# Altium PCB VAMoS Rev D.PcbDoc (part 1 of 4)
Units mil, origin at the board's own origin, x right, y up, seen from the top; angles counter-clockwise.
Board outline 3123.48 x 5025.48 mil, 4 copper layers (Top Signal Layer, Power Plane, Ground Plane, Bottom Signal Layer), stack 61.2 mil thick; 294 components, 124 nets, 789 pads, 1205 vias.
Unrouted connection lines stored in the file: 1.
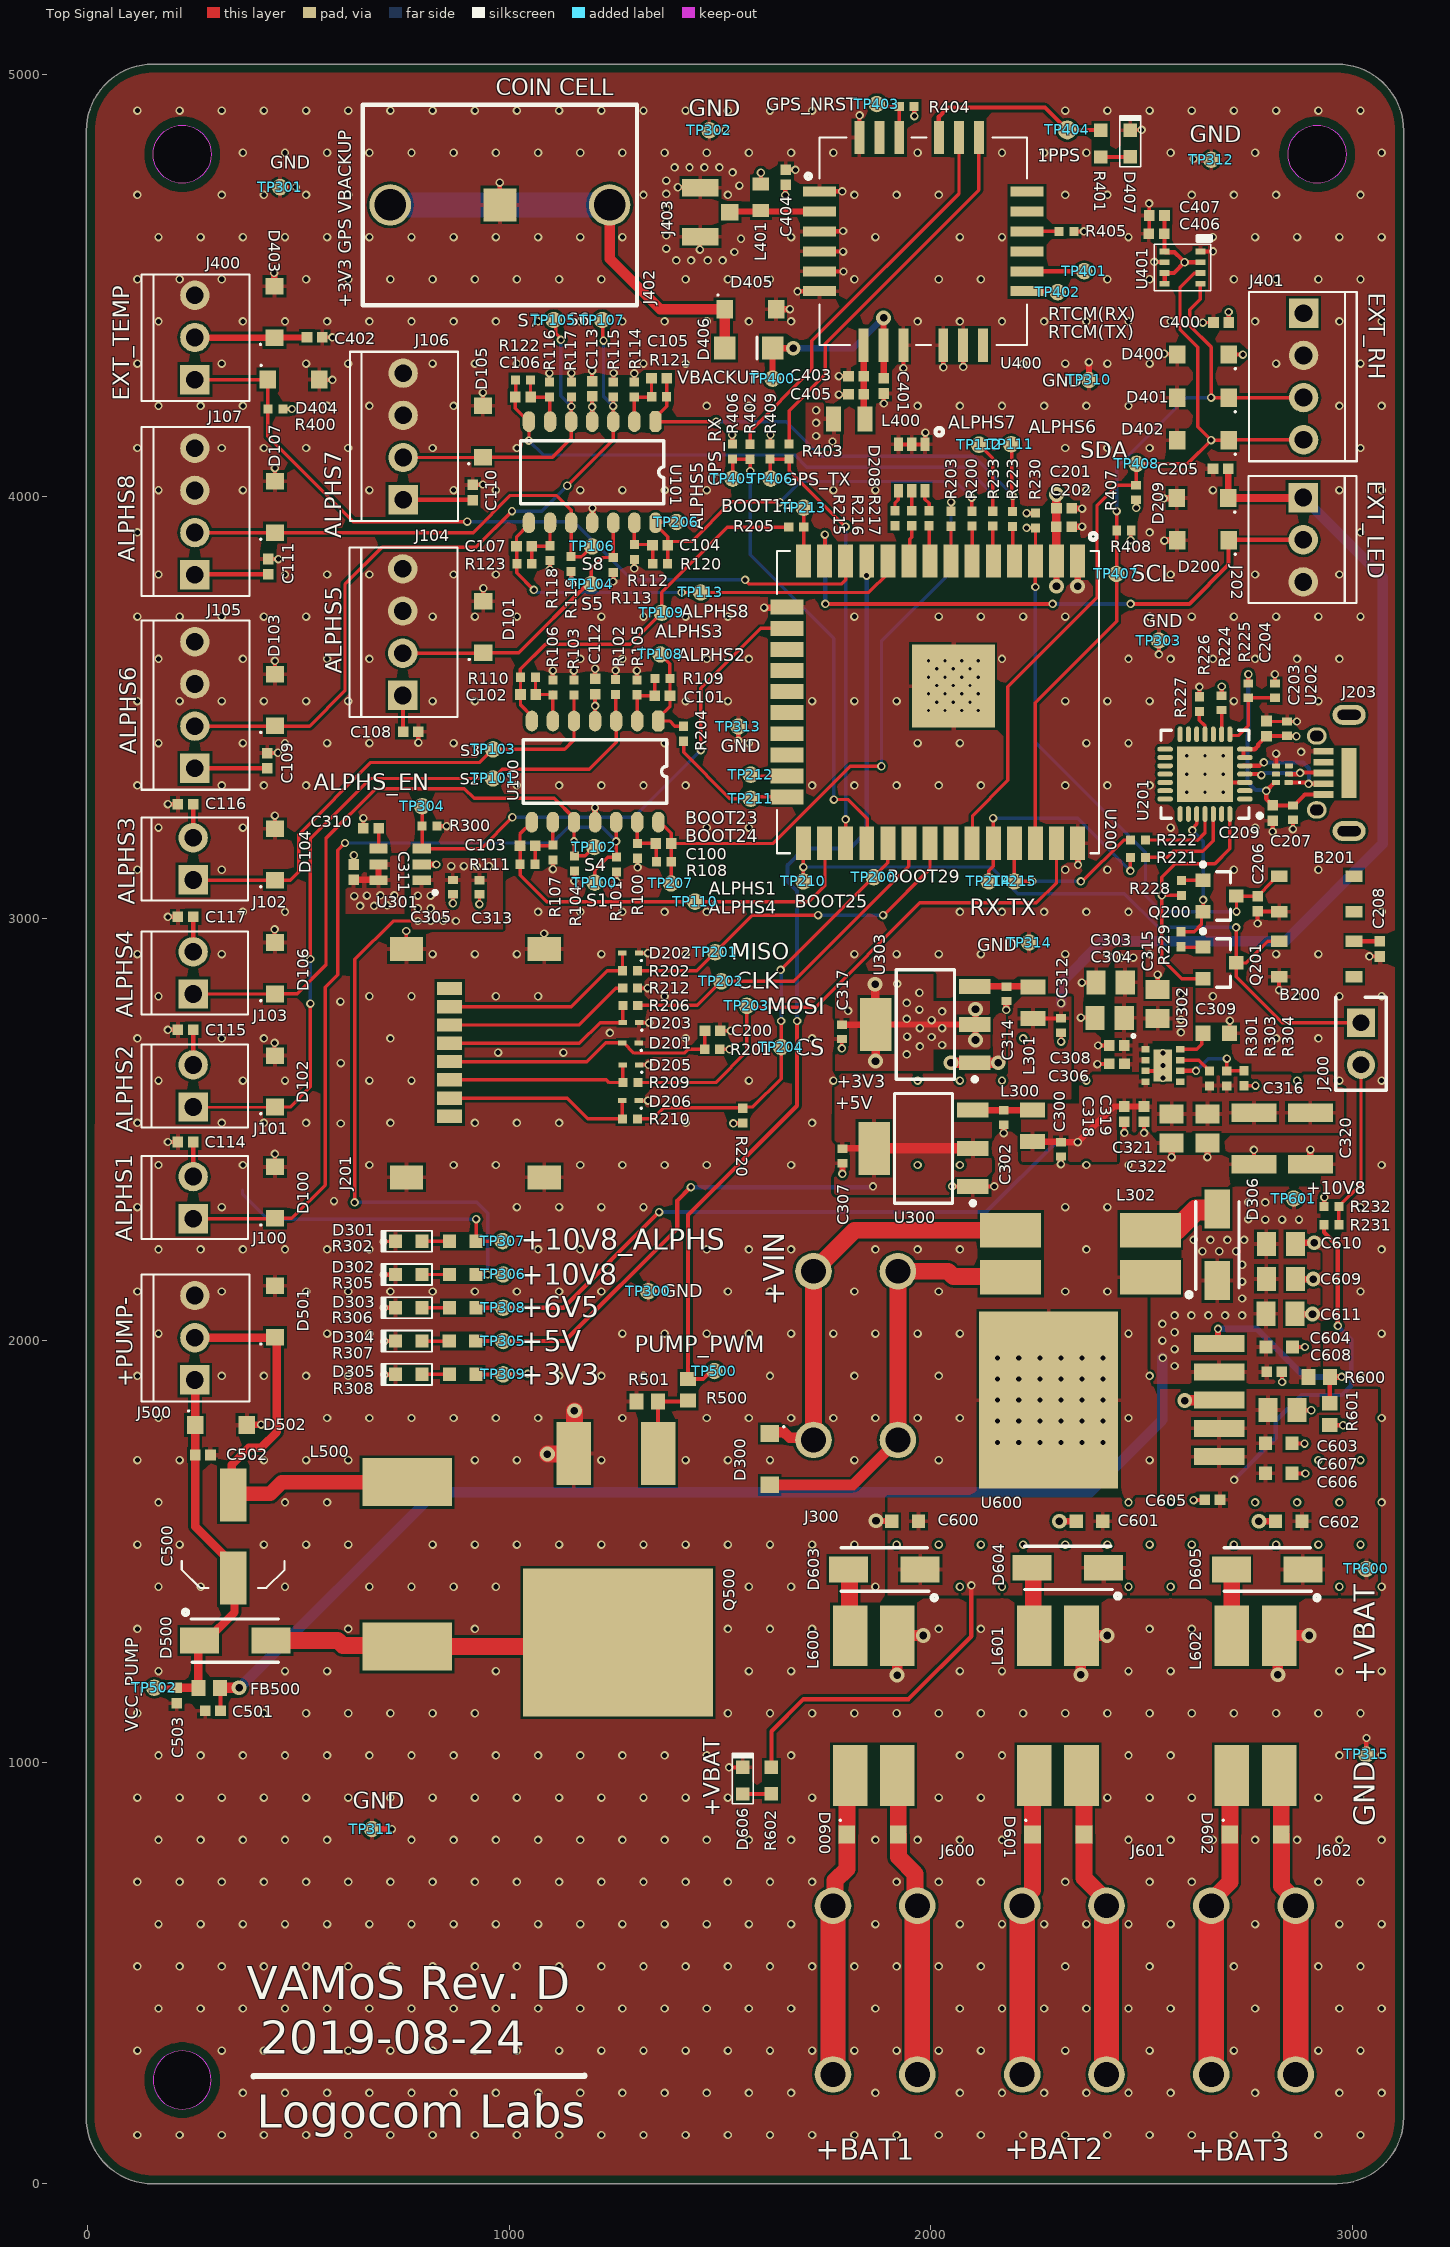
[diagram p0: Top Signal Layer view]
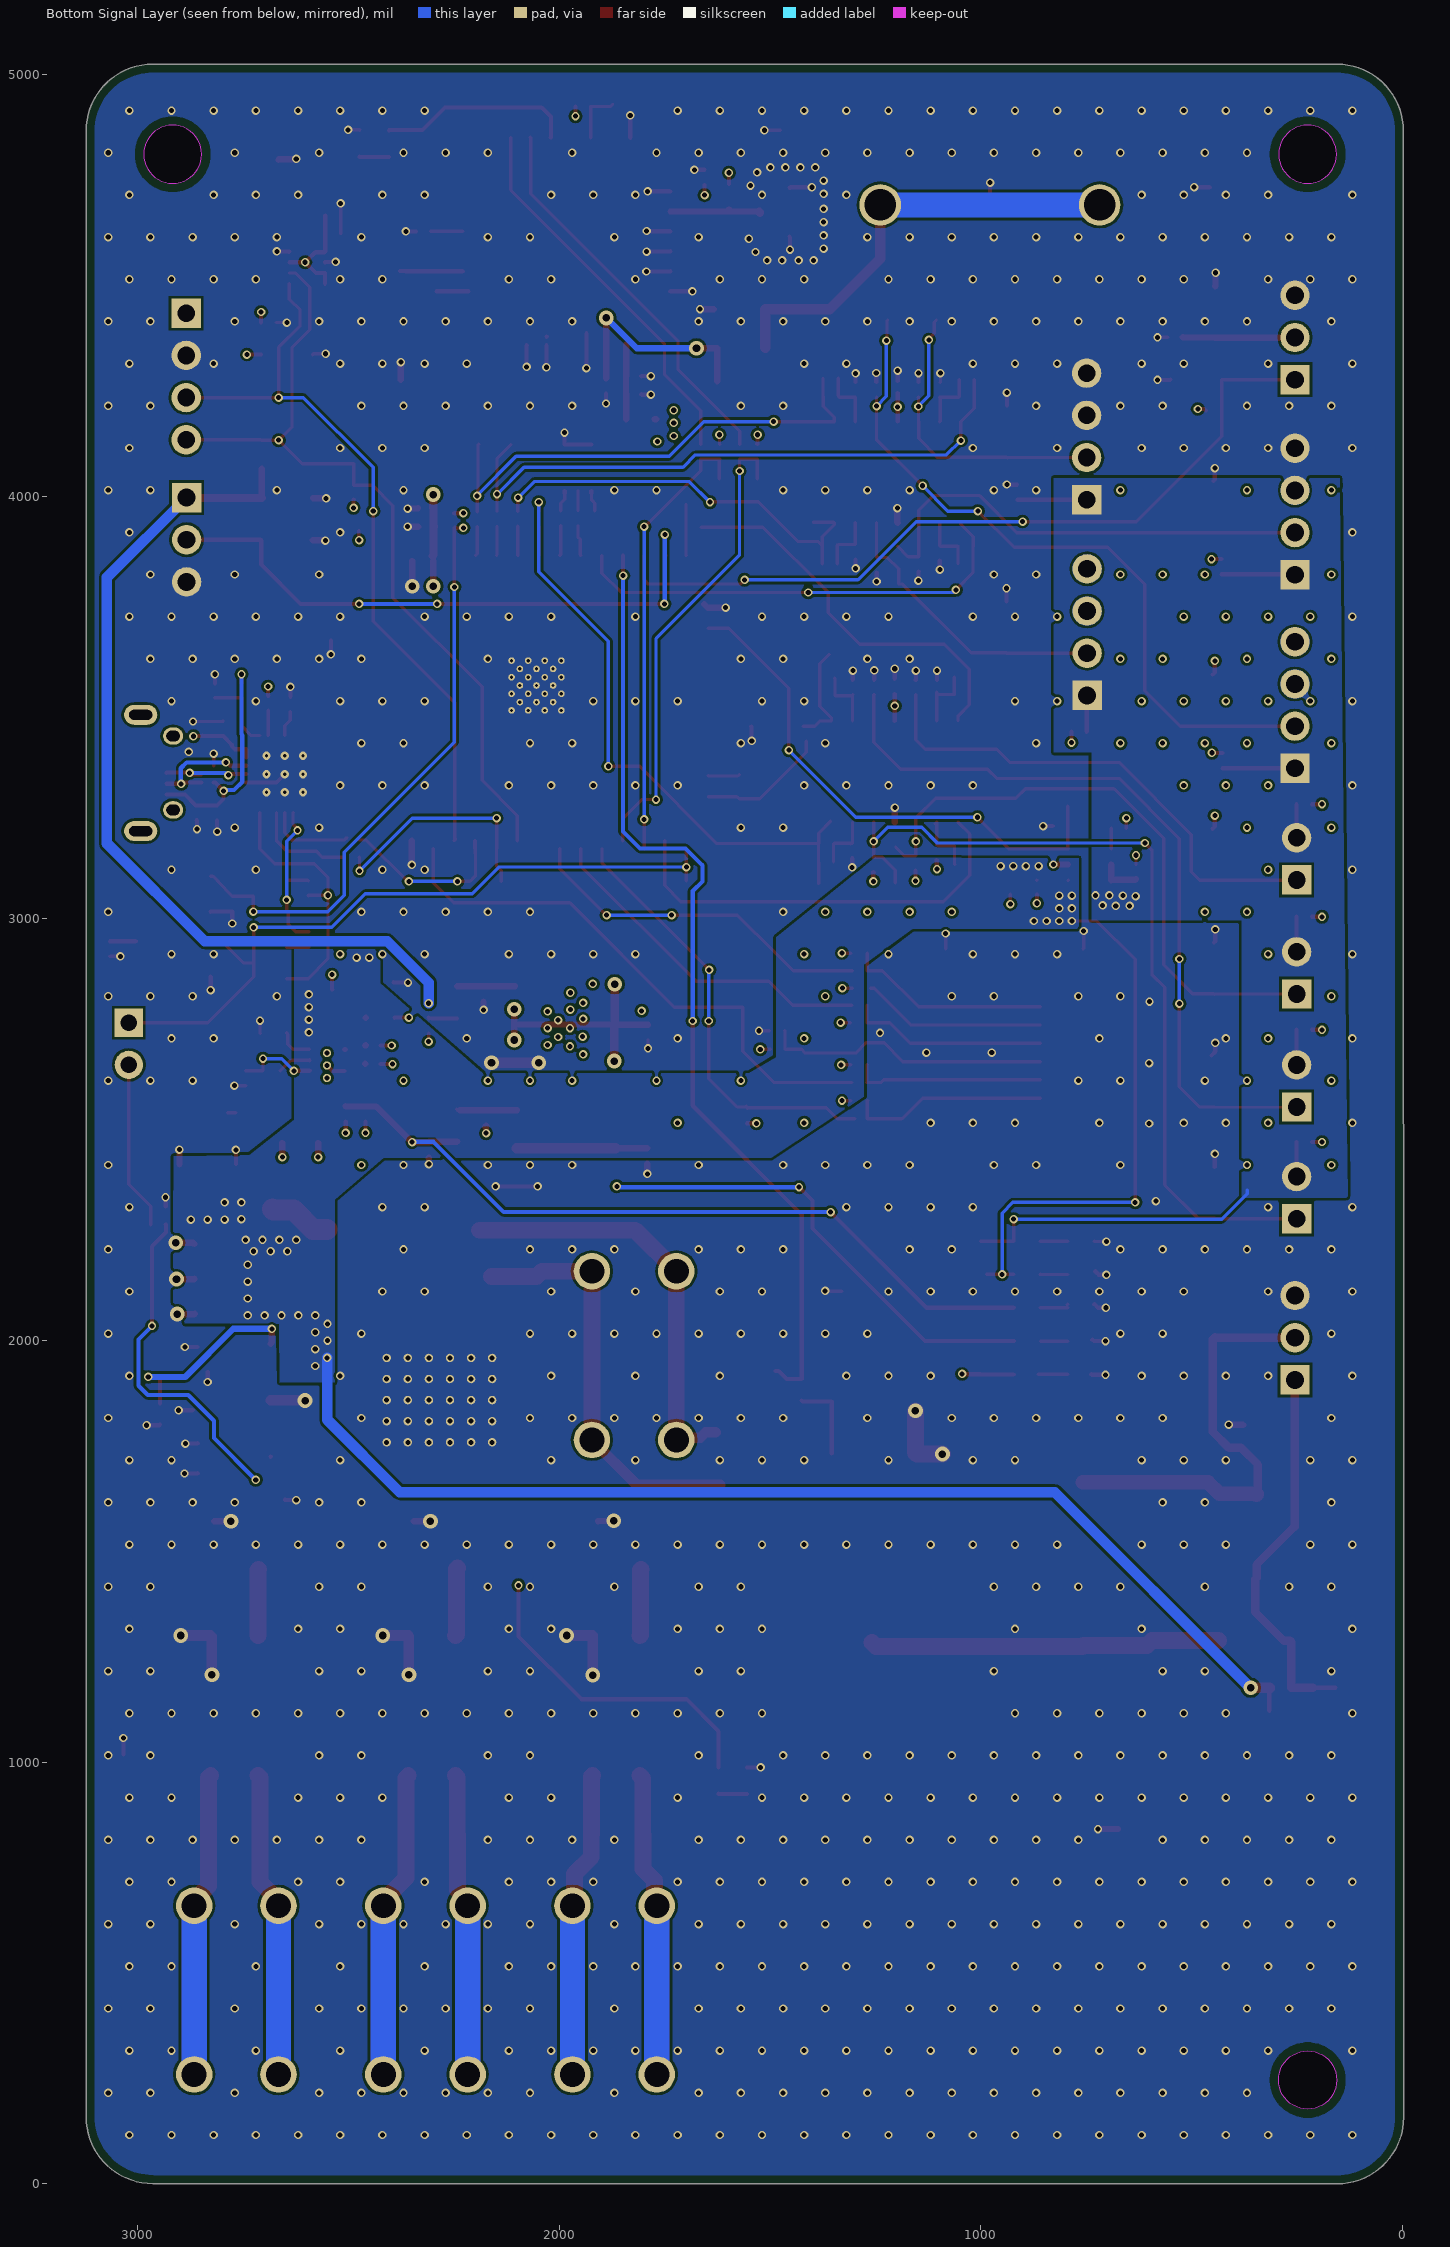
[diagram p1: Bottom Signal Layer view, seen from below]
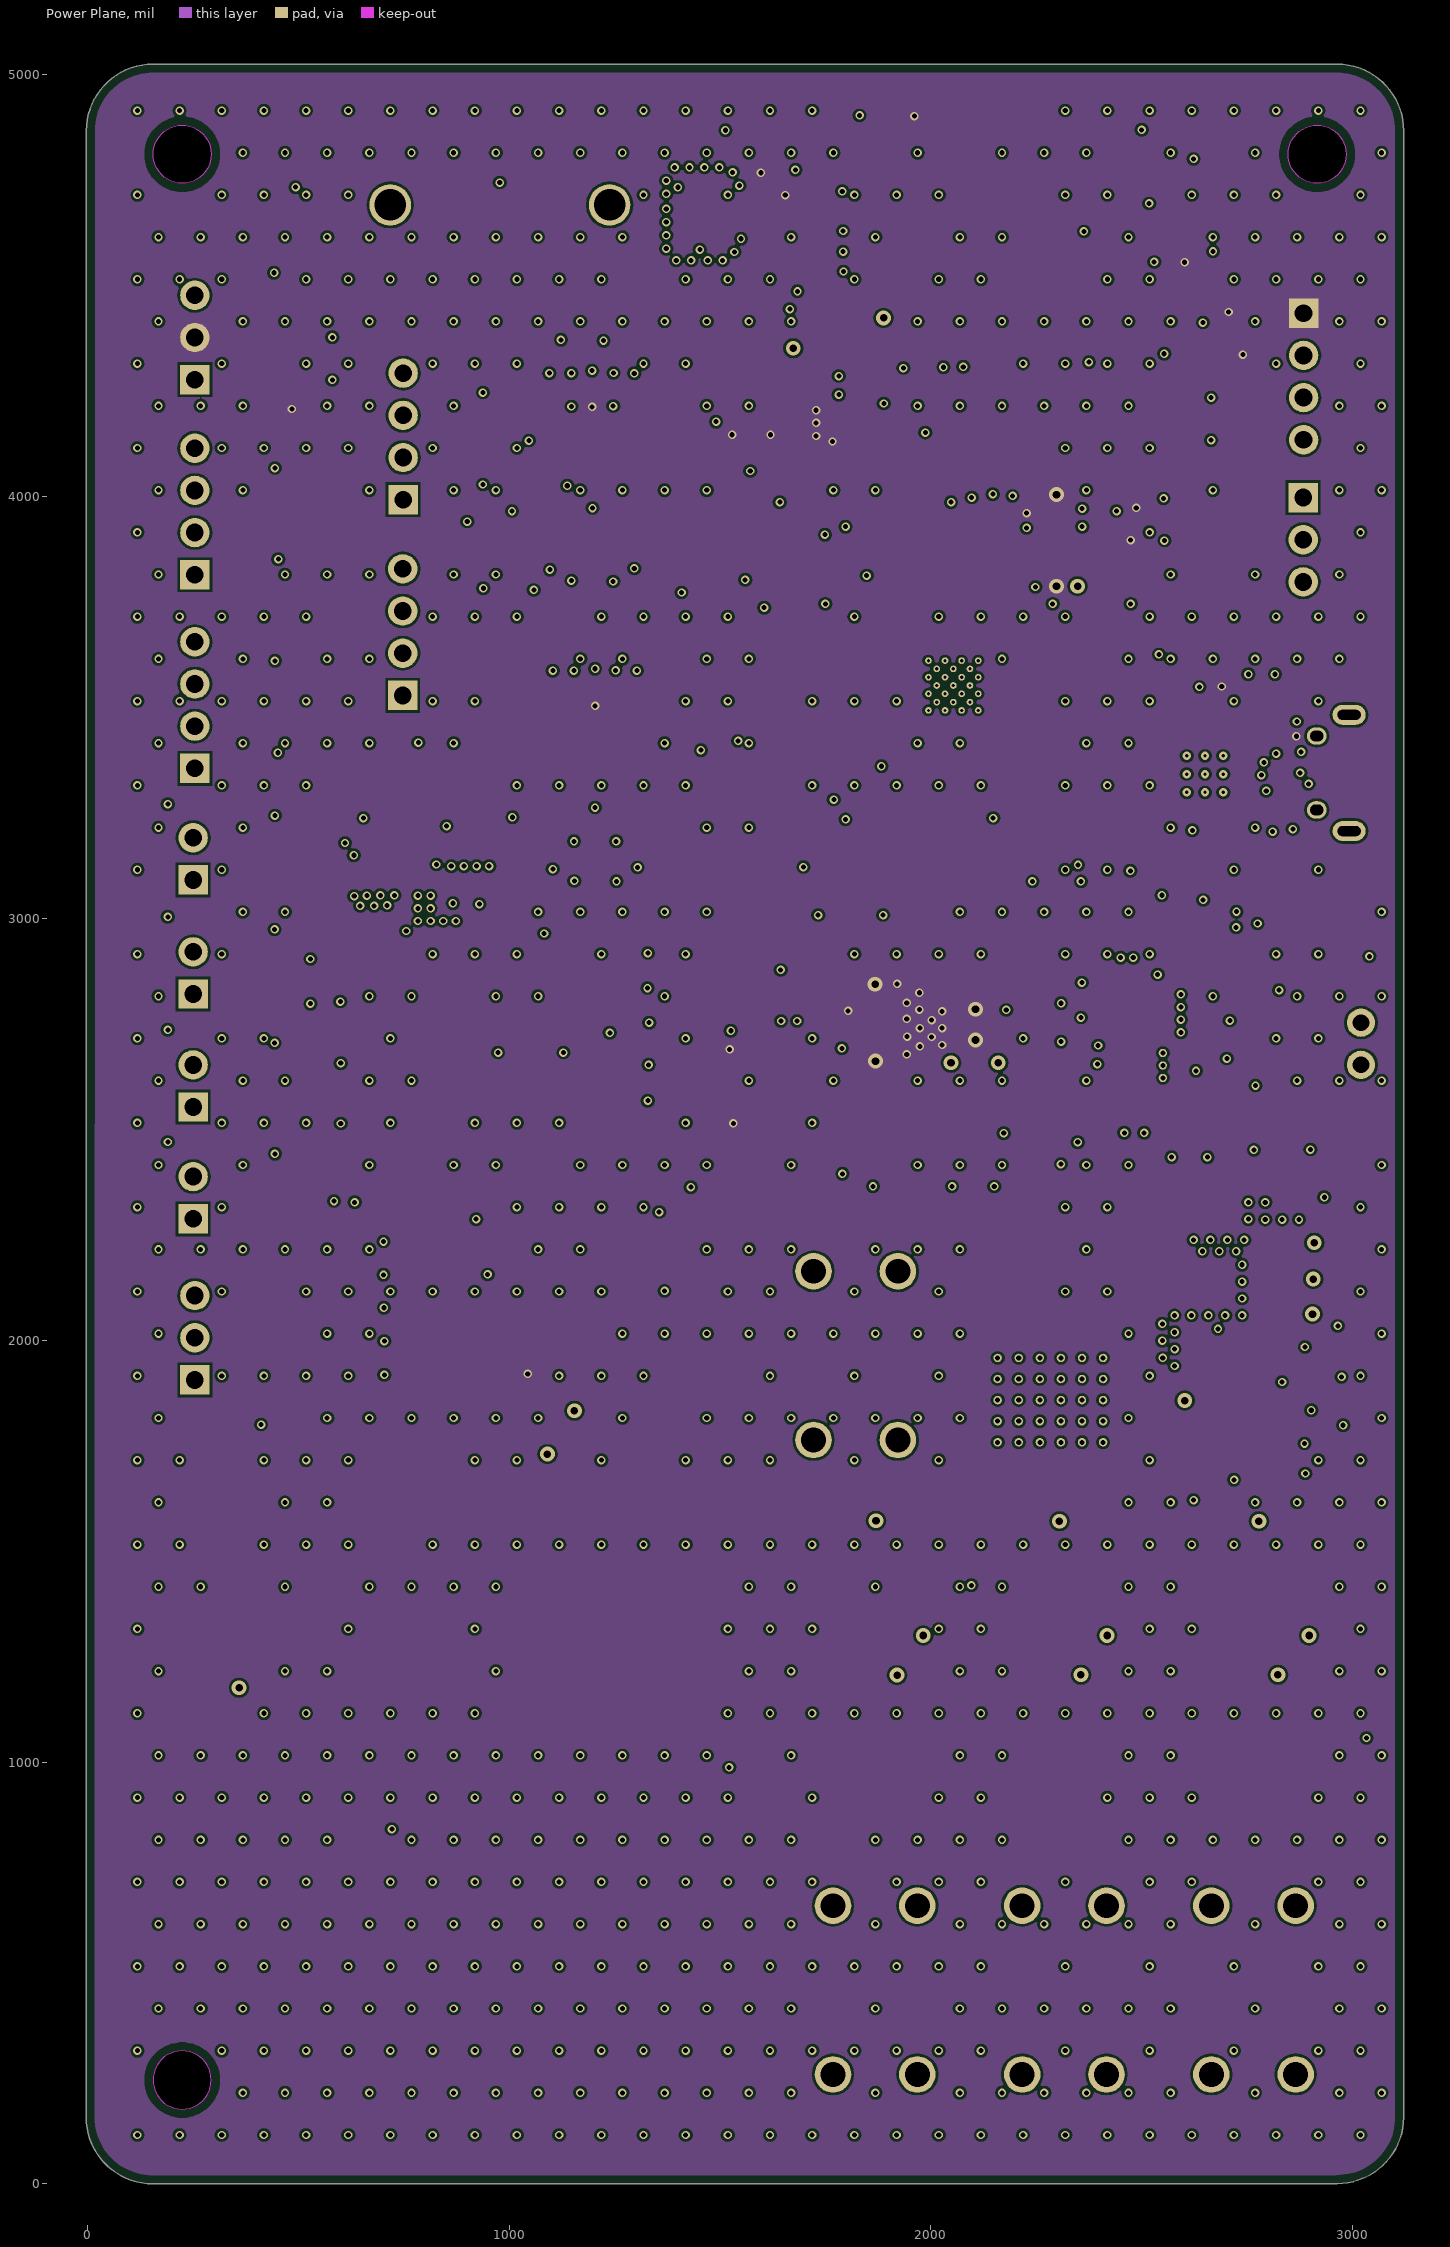
[diagram p2: Power Plane]
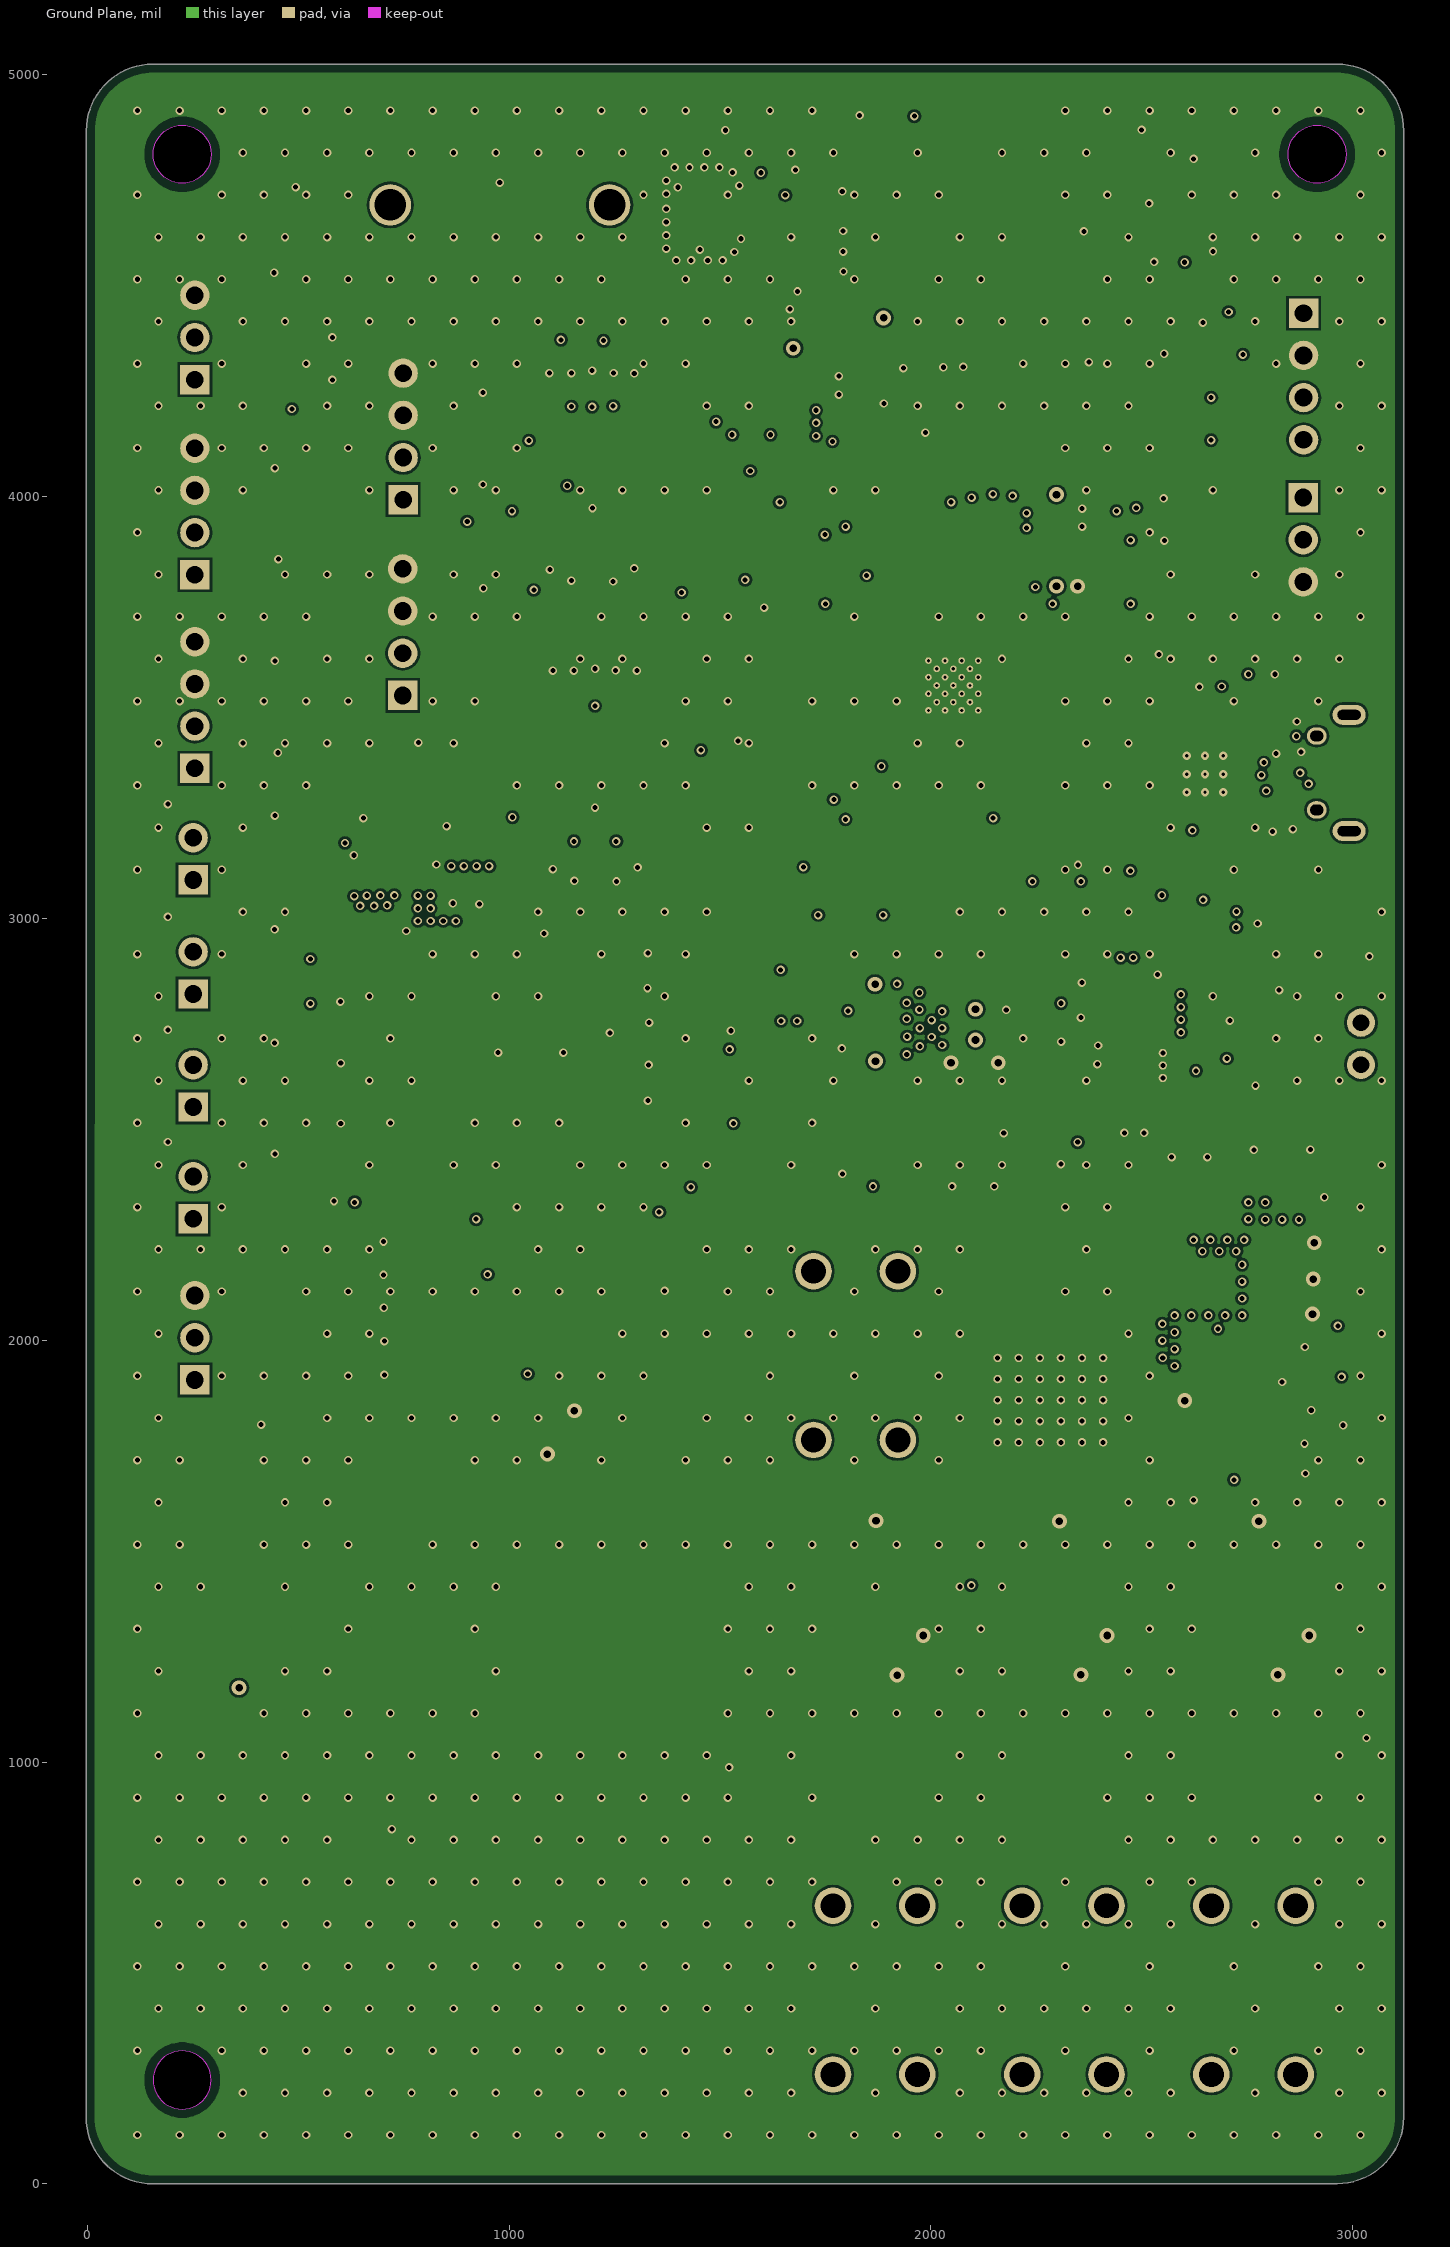
[diagram p3: Ground Plane]
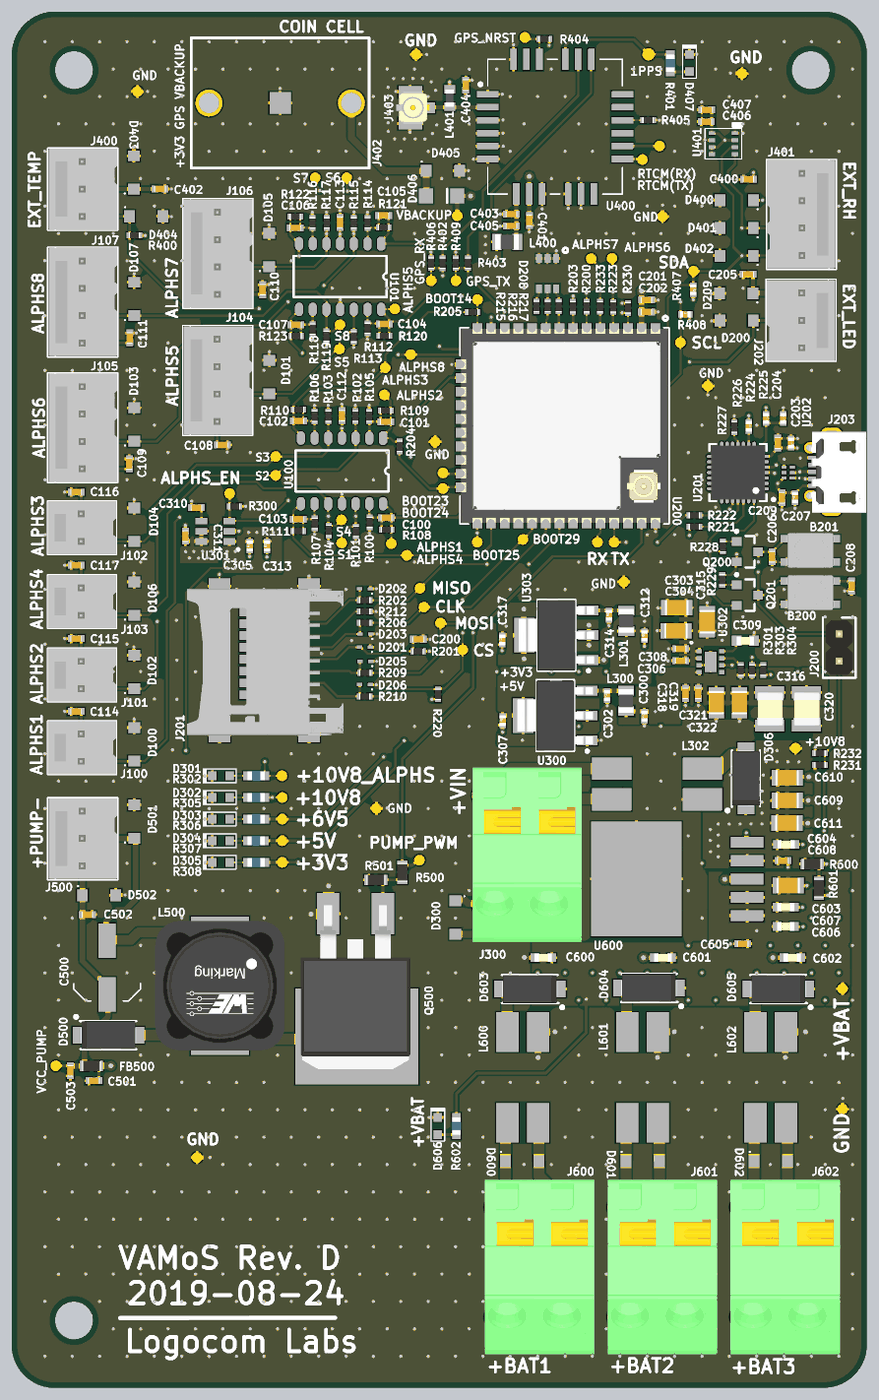
[diagram p7: 3D render of the assembled board from above, using the file's embedded part models]

## Layer stack, top to bottom
Top Solder: solder mask 0.5, Solder Resist, Dk 3.5
Top Signal Layer: signal copper 0.7
Dielectric 1: prepreg 9, PP-006, Dk 4.2
Power Plane: signal copper 1.4
Dielectric 3: core 39, Core-009, Dk 4.2
Ground Plane: signal copper 1.4
Dielectric 2: prepreg 9, PP-006, Dk 4.2
Bottom Signal Layer: signal copper 0.7
Bottom Solder: solder mask 0.5, Solder Resist, Dk 3.5

## Board outline
-2.48,157.48 ccw(c155,157.48) 155,0 2963,0 2963.52,0.52 ccw(c2963.52,158) 3121,158 3121,4868 ccw(c2963.52,4868) 2963.52,5025.48 155.48,5025.48 ccw(c155.48,4868) -2,4868
cut-out: 156.1,246 ccw(c225,246) 225,177.1 ccw(c225,246) 293.9,246 ccw(c225,246) 225,314.9 ccw(c225,246)
cut-out: 2916,4743.1 cw(c2916,4812) 2847.1,4812 cw(c2916,4812) 2916,4880.9 cw(c2916,4812) 2984.9,4812 cw(c2916,4812)
cut-out: 225,4743.1 cw(c225,4812) 156.1,4812 cw(c225,4812) 225,4880.9 cw(c225,4812) 293.9,4812 cw(c225,4812)

## Design rules (kind name [scope] priority, off if disabled: settings)
BoardOutlineClearance [All] p1: gap=20 ignorepadtopadclearanceinfootprint=FALSE
Clearance [All] p1: gap=6 ignorepadtopadclearanceinfootprint=FALSE
ComponentClearance [All] p1: gap=9.84 collisioncheckmode=3 verticalgap=9.84 showdistances=FALSE
DiffPairsRouting [All] p1: maxlimit=393.7 minlimit=7.87 mostfreqgap=9.84 toplayer_minwidth=7.87 toplayer_maxwidth=393.7 toplayer_prefwidth=9.84 midlayer1_minwidth=7.87 midlayer1_maxwidth=393.7 midlayer1_prefwidth=9.84 midlayer2_minwidth=7.87 midlayer2_maxwidth=393.7 midlayer2_prefwidth=9.84 bottomlayer_minwidth=7.87 bottomlayer_maxwidth=393.7 bottomlayer_prefwidth=9.84 maxuncoupledlength=500
Height [All] p1: minheight=0 maxheight=3937.01 prefheight=0
HoleSize [All] p1: absolutevalues=TRUE maxlimit=472.44 minlimit=7.87 maxpercent=80.000 minpercent=20.000
HoleToHoleClearance [All] p1: gap=9.84 allowstackedmicrovias=TRUE
MinimumSolderMaskSliver [All] p1: minsoldermaskwidth=1.97
PlaneClearance [All] p1: clearance=19.68
PlaneConnect [All] p1: planeconnectstyle=Relief reliefexpansion=9.84 reliefentries=4 reliefconductorwidth=9.84 reliefairgap=9.84
PolygonConnect PolygonConnect_3 [All vs IsNamedPolygon('Top Signal Layer-GND')] p1: connectstyle=Direct reliefconductorwidth=10 reliefentries=4 polygonreliefangle="90 Angle" airgapwidth=10
PolygonConnect PolygonConnect_2 [All vs IsNamedPolygon('+6V5_L01_P026')] p2: connectstyle=Direct reliefconductorwidth=10 reliefentries=4 polygonreliefangle="90 Angle" airgapwidth=10
PolygonConnect PolygonConnect_1 [All vs IsNamedPolygon('+10V8_L01_P018')] p3: connectstyle=Direct reliefconductorwidth=10 reliefentries=4 polygonreliefangle="90 Angle" airgapwidth=10
PolygonConnect [All] p4: thpad.connectstyle=Direct thpad.reliefconductorwidth=9.84 thpad.reliefentries=4 thpad.polygonreliefangle="90 Angle" thpad.airgapwidth=5.91 smdpad.connectstyle=Relief smdpad.reliefconductorwidth=10 smdpad.reliefentries=4 smdpad.polygonreliefangle="90 Angle" smdpad.airgapwidth=5.91 via.connectstyle=Direct via.reliefconductorwidth=9.84 via.reliefentries=4 via.polygonreliefangle="90 Angle" via.airgapwidth=5.91
RoutingCorners [All] p1: cornerstyle=45-Degree minsetback=98.43 maxsetback=98.43
RoutingVias [All] p1: holewidth=12 width=20 viastyle="Through Hole" minholewidth=12 minwidth=20 maxholewidth=39.37 maxwidth=59.06
SilkToSilkClearance [All] p1: silktosilkclearance=1
SilkToSolderMaskClearance [IsPad] p1: minsilkscreentomaskgap=2 clearancetoexposedcopper=TRUE
SolderMaskExpansion [All] p1: expansion=3.94
Width [All] p1: maxlimit=500 minlimit=6 preferedwidth=8
19 further rules are at their usual default settings.

## Classes and differential pairs
component class "U_Battery Management": C600 C601 C602 C603 C604 C605 C606 C607 C608 C609 C610 C611 D600 D601 D602 D603 D604 D605 D606 J600 J601 J602 L600 L601 L602 R600 R601 R602 TP600 TP601 U600
component class "Pump Drive": C500 C501 C502 C503 D500 D501 D502 FB500 J500 L500 Q500 R500 R501 TP500 TP502
component class ESP32-WROOM-32U: B200 B201 C200 C201 C202 C203 C204 C205 C206 C207 C208 C209 D200 D201 D202 D203 D205 D206 D208 D209 J200 J201 J202 J203 Q200 Q201 R200 R201 R202 R203 R204 R205 R206 R209 R210 R212 R215 R216 R217 R220 R221 R222 R223 R224 R225 R226 R227 R228 R229 R230 R231 R232 R233 TP200 TP201 TP202 TP203 TP204 TP206 TP207 TP210 TP211 TP212 TP213 TP214 TP215 U200 U201 U202
